# KiCad board SNES Device.kicad_pcb (continued)
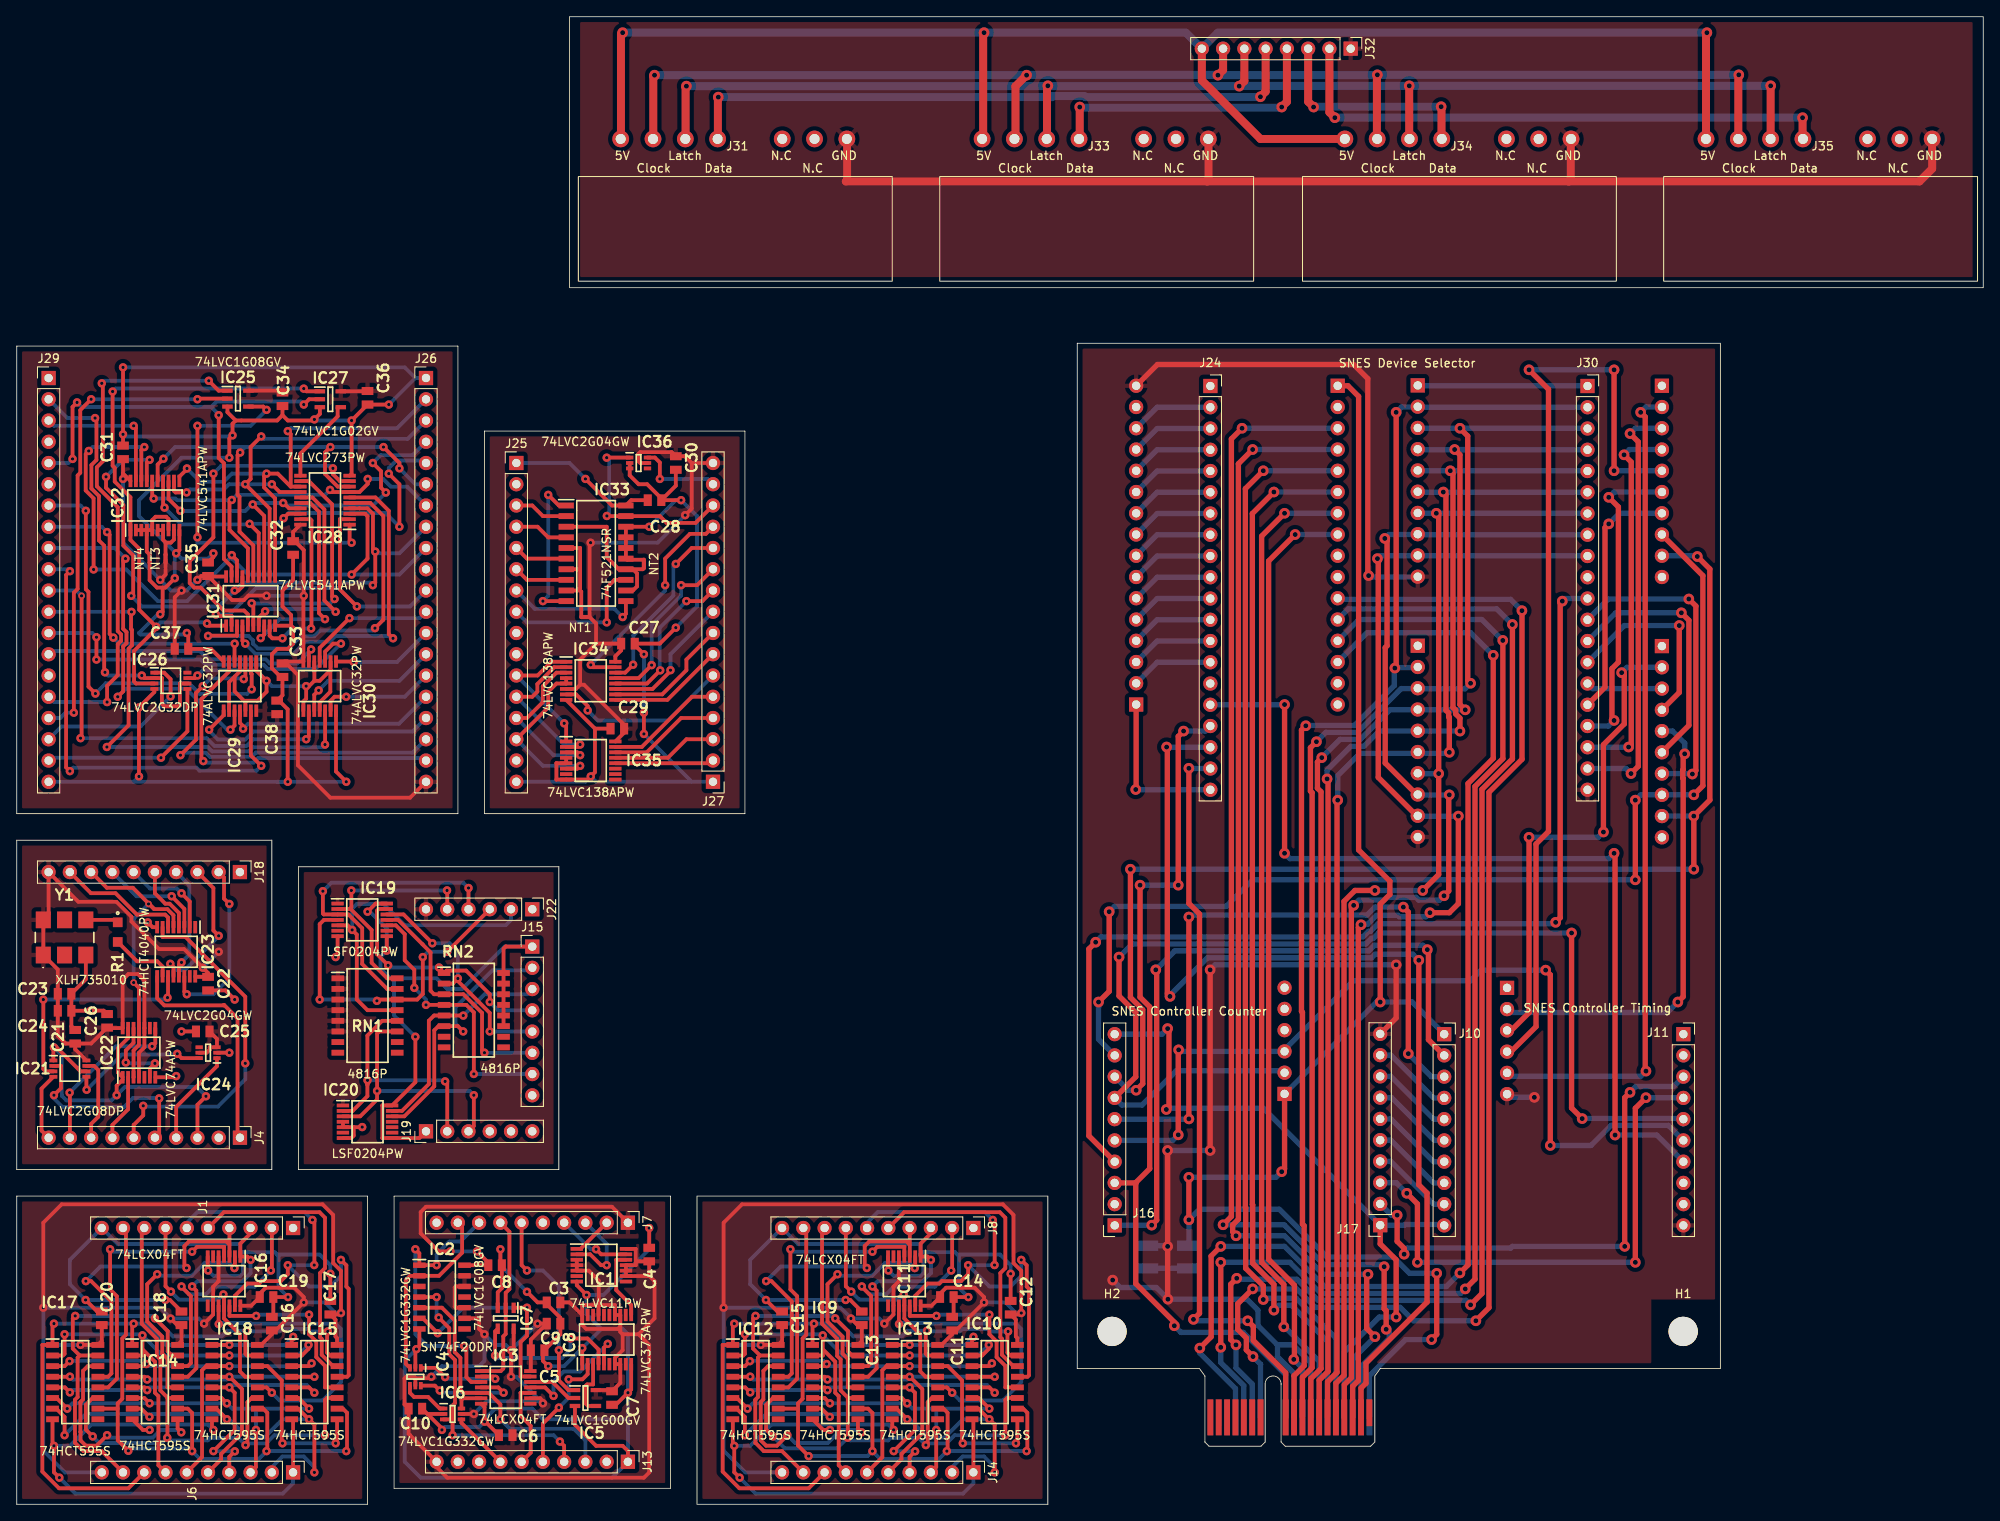
[diagram p0: board, top side]
## Routing (per net, layer and track width the routed paths; a pad name or vN(x,y) marks a point on that pad's centre or on a via; arc(x,y) is an arc through that point) (continued)
  Bottom w0.45: v1(86.99,20.32) 96.16,20.32 v1(96.3,20.19) 98.7,17.78 v1(106.68,17.78) 114.87,17.78 v1(116.14,19.05)
/SNES Controller Board/SNES Controller Shift Register/SHIFT_OUT3: length 52.4
  Top w0.45: v1(87.59,17.11) 86.99,16.51 IC12.3 ; v1(96.77,16.76) 96.52,16.51 IC9.3 ; v1(106.68,16.51) IC13.3 103.91,16.51 103.42,16.01 103.42,5.63 J14.6 ; v1(116.51,16.84) 116.17,16.51 IC10.3
  Bottom w0.45: v1(87.59,17.11) 87.63,17.14 96.38,17.14 v1(96.77,16.76) 97.02,16.51 v1(106.68,16.51) 116.17,16.51 v1(116.51,16.84)
/SNES Controller Board/SNES Controller Shift Register/SHIFT_OUT4: length 52.1
  Top w0.45: IC12.4 87.62,15.24 v1(87.63,15.25) ; v1(96.87,14.91) 96.54,15.24 IC9.4 ; IC10.4 v1(116.84,15.24) ; J14.5 105.7,5.37 105.7,6 108.19,8.5 108.19,13.77 106.72,15.24 v1(106.68,15.24) IC13.4
  Bottom w0.45: v1(116.84,15.24) 116.82,15.26 106.7,15.26 v1(106.68,15.24) 106.35,14.91 v1(96.87,14.91) 87.97,14.91 v1(87.63,15.25)
/SNES Controller Board/SNES Controller Shift Register/SHIFT_OUT5: length 53.6
  Top w0.45: v1(107.33,6.33) 106.67,5.67 J14.4 ; v1(116.84,13.33) 116.2,13.97 IC10.5 ; IC12.5 87.03,13.97 v1(87.63,13.37) ; IC9.5 96.54,13.97 v1(96.87,13.64) ; IC13.5 v1(106.68,13.97) 107.31,13.33 107.31,8.89 v1(104.77,6.35)
  Bottom w0.45: v1(87.63,13.37) 87.9,13.64 v1(96.87,13.64) 97.19,13.97 v1(106.68,13.97) 106.97,14.26 115.92,14.26 v1(116.84,13.33) ; v1(107.33,6.33) 107.31,6.35 v1(104.77,6.35)
/SNES Controller Board/SNES Controller Shift Register/SHIFT_OUT6: length 46.1
  Top w0.45: J14.3 109.85,4.45 v1(109.85,8.89) ; IC13.6 105.76,12.7 v1(106.39,12.06) ; IC10.6 114.93,12.7 v1(116.2,11.43) ; IC9.6 96.52,12.7 v1(97.16,12.06) ; 86.04,12.7 v1(87.31,11.43)
  Bottom w0.45: v1(87.31,11.43) 87.95,12.06 v1(97.16,12.06) v1(106.39,12.06) 107.03,11.43 109.85,11.43 ; v1(109.85,8.89) 109.85,11.43 ; 109.85,11.43 v1(116.2,11.43)
/SNES Controller Board/SNES Controller Shift Register/SHIFT_OUT7: length 57.1
  Top w0.45: v1(97.14,10.45) 96.16,11.43 IC9.7 ; v1(116.84,3.81) 116.84,9.53 v1(116.2,10.16) 116.17,10.16 114.9,11.43 IC10.7 ; 86,11.43 86.99,10.44 v1(86.99,8.25) ; 105.12,11.43 v1(106.39,10.16)
  Bottom w0.45: v1(86.99,8.25) 89.53,10.79 96.79,10.79 v1(97.14,10.45) 97.48,10.79 105.76,10.79 v1(106.39,10.16) 106.66,10.16 108.86,7.97 110.85,7.97 113.05,10.16 v1(116.2,10.16) ; v1(116.84,3.81) 116.84,4.44 115.57,5.72 113.03,5.72 111.75,4.44 J14.2
/SNES Controller Board/SNES Controller Shift Register/~{Shift Reset}: length 75.8
  Top w0.45: IC12.10 93.34,11.43 ; IC13.10 110.72,11.43 111.21,10.93 111.21,6.44 v1(111.12,6.35) ; v1(94.61,5.76) 93.34,7.03 93.34,12.06 93.89,12.61 93.89,19.82 94.33,20.26 94.33,32.67 ; IC9.10 101.71,11.43 102.23,10.91 v1(102.23,6.35) ; IC10.10 120.24,11.43 120.74,10.93 120.74,6.44 v1(120.65,6.35)
  Bottom w0.45: v1(94.61,5.76) 101.64,5.76 v1(102.23,6.35) 103.18,5.41 110.18,5.41 v1(111.12,6.35) 111.14,6.36 120.64,6.36 v1(120.65,6.35)
/SNES Controller Board/SNES Controller Timing/LE: length 8.5
  Top w0.45: IC1.12 71.63,29.22 71.63,29.22 71.63,25.59 73.41,23.81 IC8.11
/SNES Controller Board/SNES Controller Translation/Controller A Data: length 29.1
  Top w0.45: v1(51.41,73.37) 51.44,73.34 J22.5 ; IC19.2 39.52,71.15 ; 39.52,71.15 39.78,71.15 39.98,71.35 v1(39.98,73.37) ; 39.52,71.15 39.89,71.15 42.4,68.64 42.4,64.72 44.26,62.86 RN1.16
  Bottom w0.45: v1(51.41,73.37) v1(39.98,73.37)
/SNES Controller Board/SNES Controller Translation/Controller B Data: length 38.4
  Top w0.45: RN1.15 44.26,61.59 41.28,64.58 41.28,68.85 39.62,70.5 IC19.3 36.69,70.5 36.58,70.61 v1(36.58,73.28) ; J22.4 v1(53.98,73.66)
  Bottom w0.45: v1(53.98,73.66) 53.34,74.29 37.59,74.29 v1(36.58,73.28)
/SNES Controller Board/SNES Controller Translation/Controller C Data: length 38.9
  Top w0.45: J22.3 v1(51.44,66.04) ; v1(48.51,65.41) 48.51,60.99 47.85,60.32 RN1.14 43.18,60.32 v1(43.03,60.18) ; IC19.4 36.7,69.85 36.19,69.34 v1(36.19,60.32)
  Bottom w0.45: v1(51.44,66.04) 49.15,66.04 v1(48.51,65.41) ; v1(36.19,60.32) 42.88,60.32 v1(43.03,60.18)
/SNES Controller Board/SNES Controller Translation/Controller Clock: length 31.6
  Top w0.45: J19.3 54.61,45.21 v1(54.61,48.89) ; RN1.11 43.31,56.51 43.05,56.26 v1(43.05,49.4) 43.05,48.39 41.04,46.37 IC20.3
  Bottom w0.45: v1(54.61,48.89) 54.1,49.4 v1(43.05,49.4)
/SNES Controller Board/SNES Controller Translation/Controller D Data: length 40.2
  Top w0.45: RN1.13 41.91,59.06 40.63,60.34 40.63,68.1 v1(40.07,68.65) 39.52,69.2 IC19.5
  Bottom w0.45: J22.2 59.05,69.85 58.42,69.21 46.36,69.21 43.81,71.75 40.64,71.75 40.07,71.19 v1(40.07,68.65)
/SNES Controller Board/SNES Controller Translation/Controller Latch: length 31.1
  Top w0.45: v1(51.18,50.55) 51.44,50.29 J19.2 ; IC20.2 40.13,47.02 41.9,48.78 41.9,50.15 ; RN1.12 43.66,57.78 41.9,56.02 41.9,50.15 ; 41.9,50.15 41.91,50.16 v1(41.91,50.67)
  Bottom w0.45: v1(51.18,50.55) 51.05,50.67 v1(41.91,50.67)
/SNES Controller Board/T Controller Clock: length 14.8
  Top w0.45: v1(65.94,14.94) 67.59,14.94 68.21,15.56 IC8.2 ; v1(64.77,11.56) 62.86,9.65 J13.5
  Bottom w0.45: v1(65.94,14.94) 65.94,12.73 v1(64.77,11.56)
/SNES Controller Board/T Controller LE: length 10.4
  Top w0.45: IC3.10 60.2,13.32 60.2,13.32 60.2,10.58 61.4,9.37 61.4,6.16 J13.6
/SNES Controller Board/T ~{Done Shifting}: length 7
  Top w0.45: J13.7 53.13,9.73 IC6.4
/SNES Controller Board/Timing 3.3V: length 176.5
  Top w0.45: v1(62.23,21.59) C9.1 61.42,19.69 C5.1 61.42,15.98 IC3.14 ; 69.54,23.81 67.59,23.81 67.56,23.78 IC8.20 ; 69.54,23.81 71.46,23.81 IC8.14 IC8.13 72.11,21.23 ; 69.54,23.81 69.51,23.78 IC8.17 ; 69.54,23.81 69.54,26.73 68.34,27.92 IC1.5 IC1.4 IC1.3 ; 73.95,28.87 73.95,28.58 73.95,28.57 IC1.11 IC1.10 IC1.9 75.34,27.28 75.56,27.5 C4.1 74.12,29.03 73.95,28.87 ; 73.95,28.87 73.95,30.52 73.95,30.53 IC1.14 ; v1(49.53,15.24) 49.36,15.07 47.62,15.07 ; C3.1 66.05,24.13 IC8.20 ; IC7.5 59.37,18.73 v1(59.05,18.41) v1(59.05,15.24) ; IC2.10 52.45,23.5 52.33,23.62 52.33,25.91 52.45,26.03 53.08,26.03 ; 72.11,21.23 72.11,20.6 72.39,20.32 ; 72.11,21.23 71.83,20.95 68.04,20.95 67.56,21.44 IC8.20 ; IC6.5 v1(54.61,10.79) ; IC3.9 62.55,12.67 62.86,12.35 v1(62.86,12.06) ; 75.56,27.31 76.2,26.67 76.2,22.22 74.3,20.32 ; 72.39,20.32 74.3,20.32 ; 72.39,20.32 72.39,18.41 71.46,17.48 IC8.7 IC8.8 72.11,14.5 C7.1 ; 74.3,20.32 75.56,19.05 75.56,3.81 74.93,3.17 51.44,3.17 50.16,4.45 J13.10 46.99,8.25 46.99,8.25 46.81,8.43 C10.1 46.33,11.92 46.33,15.04 46.53,15.24 47.45,15.24 47.62,15.07 ; 47.62,15.07 IC4.5 ; v1(55.88,20.32) 55.24,20.95 55.24,22.22 IC2.9 ; 70.98,13.65 IC5.5
  Bottom w0.45: v1(59.05,15.24) 59.69,15.24 v1(62.86,12.06) ; v1(49.53,15.24) 50.8,16.51 55.24,16.51 55.88,17.14 v1(55.88,20.32) 57.15,19.05 58.42,19.05 v1(59.05,18.41) v1(62.23,21.59) ; 62.85,12.08 62.61,12.32 56.13,12.32 v1(54.61,10.79)
/SNES Controller Board/Timing 5V: length 41
  Top w0.45: v1(51.82,30.23) 50.42,30.23 48.26,32.38 48.26,34.92 48.89,35.56 71.11,35.56 J7.1 ; v1(54.99,30.23) 56.34,28.88 C8.1 IC2.14
  Bottom w0.45: v1(51.82,30.23) v1(54.99,30.23)
/SNES Controller Board/Timing GND: length 173.7
  Top w0.45: 63.33,23.91 64.94,22.29 C9.2 64.94,20.32 C5.2 ; J13.1 73.02,6.35 72.39,6.98 69.21,6.98 66.69,9.5 IC5.3 ; v1(67.56,18.67) 67.56,18.66 IC8.1 ; 49.07,10.79 C10.2 ; 49.07,10.79 IC6.2 ; 49.07,10.79 50.8,9.06 v1(50.8,8.89) ; IC7.3 57.47,25.34 57.96,25.83 C8.2 ; C6.2 55.99,9.87 v1(55.89,9.87) 55.89,11.61 IC3.7 ; v1(68.07,25.02) 66.91,26.18 IC1.7 ; IC4.2 47.62,18.41 v1(47.75,18.54) 48.1,18.89 IC2.7 ; v1(57.78,30.48) 57.78,28.75 ; 71.58,11.89 v1(73.02,13.33) 73.41,13.72 IC8.10 ; 62.86,18.24 62.86,17.14 v1(63.5,16.51) ; C4.2 v1(75.56,33.02) ; v1(60.96,25.4) 62.23,24.13 C3.2
  Bottom w0.45: 69.85,20.95 v1(67.56,18.67) 65.41,16.51 v1(63.5,16.51) ; 69.85,20.95 72.39,20.95 73.02,20.32 v1(73.02,13.33) 73.02,13.33 73.02,10.16 ; 69.85,20.95 68.07,22.73 v1(68.07,25.02) 70.1,25.02 75.56,30.48 v1(75.56,33.02) ; v1(57.78,30.48) 57.78,28.57 v1(60.96,25.4) ; 73.02,10.16 J13.1 ; 73.02,10.16 62.87,10.16 61.59,11.43 57.15,11.43 55.89,10.17 v1(55.89,9.87) 55.26,9.24 51.15,9.24 v1(50.8,8.89) ; 73.02,5.07 71.12,3.17 48.26,3.17 46.36,5.08 46.36,17.14 v1(47.75,18.54)
/SNES Controller Board/~{Done Shifting}: length 109.8
  Top w0.635: v2(190.96,44.13) 190.96,77.69 v2(190.84,77.81) ; v2(151.47,95.59) v2(151.47,77.81)
  Bottom w0.635: J11.7 195.94,44.13 v2(190.96,44.13) ; v2(151.47,95.59) 151.44,95.56 J24.16 ; v2(151.47,77.81) 152.11,77.18 190.21,77.18 v2(190.84,77.81)
/SNES Controller Board/~{Reset}: length 105.8
  Top w0.635: J16.3 133.72,38.41 ; 133.72,38.41 133.69,38.38 133.69,26.38 138.3,21.76 v2(138.3,21.34) ; 133.72,38.41 133.72,38.47 135.36,40.11 135.36,59.45 134.21,60.6 v2(134.21,74) ; v2(139.41,92.42) 138.77,91.78 v2(138.77,74)
  Bottom w0.635: v2(138.77,74) v2(134.21,74) ; v2(139.41,92.42) 142,92.42 J24.17 ; J2.B11 151.61,15.47 146.54,20.54 139.1,20.54 v2(138.3,21.34)
/SNES Controller Board/~{Shift Reset}: length 144.8
  Top w0.635: v2(133.06,75.91) 133.06,60.58 134.53,59.11 134.53,50.27 v2(133.74,49.48) ; v2(200.79,113.28) 202.28,111.79 202.28,84.17 v2(200.37,82.26) v2(200.37,75.91)
  Bottom w0.635: v2(133.74,49.48) 132.8,49.48 J16.8 ; v2(200.79,113.28) 200.7,113.37 J3.9 ; v2(200.37,75.91) v2(133.06,75.91) ; J9.9 v2(200.37,82.26)
/SNES Controller Device/Channel RWB: length 21
  Top w0.45: v1(18.38,96.56) 18.38,98.63 17.61,99.4 IC26.1
  Bottom w0.45: J29.18 5.34,92.96 14.79,92.96 v1(18.38,96.56)
/SNES Controller Device/Channel ~{RWB}: length 22.6
  Top w0.45: v1(17.23,89.23) 20.39,92.39 20.39,97.45
  Bottom w0.45: 4.15,89.23 v1(17.23,89.23)
/SNES Controller Device/Device Channel RWB: length 125.7
  Top w0.635: v2(137.78,60.7) 137.46,61.02 137.46,90.43 v2(137.38,90.51) ; v2(167.51,65.02) 167.51,38.19 168.5,37.2 168.5,24.17 161.2,16.87 161.2,14.48 160.61,13.88 J2.A2
  Bottom w0.635: v2(137.38,90.51) 137.41,90.48 J24.18 ; v2(167.51,65.02) 166.79,65.75 162.31,65.75 161.87,65.31 142.26,65.31 137.78,60.83 v2(137.78,60.7)
/SNES Controller Device/Device Channel ~{RWB}: length 89.2
  Top w0.635: v2(140.04,87.97) 140.04,71.82 141.31,70.55 141.31,22.82 v2(140.59,22.1) ; J2.A11 151.61,15.72 147.74,19.58 147.74,21.26 v2(147.07,21.93)
  Bottom w0.635: v2(140.59,22.1) 140.76,21.93 v2(147.07,21.93) ; J24.19 140.07,87.94 v2(140.04,87.97)
/SNES Controller Device/Device Selector/DEVICE_ADDRESS0: length 17
  Top w0.45: IC34.1 63.87,100.7 62.23,99.06 J25.11 ; v1(65.41,93.34) 65.64,93.11 IC35.1
  Bottom w0.45: J25.11 v1(65.41,93.34)
/SNES Controller Device/Device Selector/DEVICE_ADDRESS1: length 19.7
  Top w0.45: J25.12 61.59,96.52 62.2,97.13 62.2,98.04 64.21,100.05 IC34.2 ; IC35.2 67.03,90.52 v1(67.31,90.8)
  Bottom w0.45: J25.12 65.41,90.8 v1(67.31,90.8)
/SNES Controller Device/Device Selector/DEVICE_ADDRESS2: length 20.6
  Top w0.45: IC34.3 64.48,99.4 62.85,97.77 62.85,95.87 60.96,93.98 J25.13 ; IC35.3 66.97,89.88 v1(67.31,89.53)
  Bottom w0.45: J25.13 64.13,89.53 v1(67.31,89.53)
/SNES Controller Device/Device Selector/DEVICE_ADDRESS3: length 21.2
  Top w0.45: v1(67.31,88.26) 66.97,87.92 IC35.6 ; J25.14 63.5,95.25 63.5,97.12 64.48,98.1 IC34.5 IC34.4
  Bottom w0.45: J25.14 62.86,88.26 v1(67.31,88.26)
/SNES Controller Device/Device Selector/DEVICE_IDENTIFIER0: length 6.5
  Top w0.45: J25.3 61.59,119.38 62.86,118.11 IC33.2
/SNES Controller Device/Device Selector/DEVICE_IDENTIFIER1: length 6.5
  Top w0.45: IC33.4 63.5,115.57 62.23,116.84 J25.4
/SNES Controller Device/Device Selector/DEVICE_IDENTIFIER2: length 6.5
  Top w0.45: IC33.6 60.96,113.03 J25.5
/SNES Controller Device/Device Selector/DEVICE_IDENTIFIER3: length 6.5
  Top w0.45: J25.6 60.96,110.49 IC33.8
/SNES Controller Device/Device Selector/DEVICE_IDENTIFIER4: length 16.1
  Top w0.45: IC33.11 72.78,106.43 v1(72.39,106.04)
  Bottom w0.45: v1(72.39,106.04) 71.41,107.03 61.88,107.03 J25.7
/SNES Controller Device/Device Selector/DEVICE_IDENTIFIER5: length 18.1
  Top w0.45: v1(70.48,105.41) 70.48,109.56 71.41,110.49 IC33.13
  Bottom w0.45: v1(70.48,105.41) 60.96,105.41 J25.8
/SNES Controller Device/Device Selector/HARD_IDENTIFIER0: length 17.4
  Top w0.45: IC33.3 70.48,116.84 70.48,113.21 71.94,111.76 74.8,111.76 NT2.2 ; 73.62,111.76 74.11,111.26 74.11,109.72 73.62,109.22 IC33.12
/SNES Controller Device/Device Selector/HARD_IDENTIFIER3: length 13.1
  Top w0.45: 67.31,109.22 67.44,109.08 NT1.2 ; IC33.5 67.31,114.3 67.31,111.76 ; IC33.7 67.31,111.76 ; 67.31,111.76 67.31,109.51 67.02,109.22 IC33.9
/SNES Controller Device/Left 3.3V: length 65.9
  Top w0.45: 69.21,102.87 67.31,100.96 67.31,97.96 ; 69.21,102.87 C27.1 72.21,102.06 71.52,101.36 IC34.16 ; 69.21,102.87 69.21,105.27 NT1.1 68.44,114.82 v1(68.56,114.93) ; 80.64,124.46 80.64,119.01 v1(79.86,118.22) ; 80.64,124.46 79.83,125.27 C30.1 78.25,125.76 74.49,125.76 74.3,125.56 74.3,124.66 74.5,124.46 IC36.5 ; 80.64,124.46 J27.16 ; 67.31,97.96 67.78,97.96 72.56,93.17 ; 67.31,97.96 66.8,97.45 65.64,97.45 ; C29.1 72.56,92.22 IC35.16 ; 72.85,92.71 72.39,92.71
  Bottom w0.45: v1(79.86,118.22) 76.57,114.93 v1(68.56,114.93)
/SNES Controller Device/Left 5V: length 18.1
  Top w0.45: v1(67.94,122.55) 71.12,119.38 IC33.20 73.41,120.01 C28.1
  Bottom w0.45: J25.1 66.04,124.46 v1(67.94,122.55)
/SNES Controller Device/Left GND: length 132.1
  Top w0.45: v1(78.74,104.77) 76.83,102.87 C27.2 ; IC36.2 IC36.3 73.23,122.98 74.3,121.92 75.32,121.92 77.01,120.23 ; IC35.4 IC35.5 64.48,88.57 64.48,88.57 64.48,86.63 64.48,86.62 IC35.8 68.21,86.62 v1(68.58,86.99) 69.08,87.5 69.08,92.71 ; 73.83,102.69 v1(74.93,101.6) ; IC33.1 64.77,119.38 v1(63.5,120.65) ; 69.08,92.71 IC34.8 ; 69.08,92.71 C29.2 ; C30.2 78.74,121.74 C28.2 v1(79.38,120.01) ; v1(75.56,116.84) IC33.18 IC33.17 IC33.16 IC33.15 72.91,112.89 NT2.1 ; v1(74.93,94.61) v1(74.93,92.07) ; v1(62.86,107.95) IC33.10
  Bottom w0.45: v1(62.86,107.95) 63.5,108.58 v1(63.5,120.65) ; 59.69,86.36 67.94,86.36 v1(68.58,86.99) 69.21,86.36 J27.1 ; 80.64,86.36 v1(74.93,92.07) ; v1(78.74,104.77) 81.28,107.31 81.28,118.11 v1(79.38,120.01) 78.74,120.01 v1(75.56,116.84) ; v1(74.93,101.6) v1(74.93,94.61)
/SNES Controller Device/Right 3.3V: length 106.3
  Top w0.45: IC31.20 22.92,110.89 ; C32.1 33.02,116.22 IC28.20 ; 33.23,115.11 34.29,114.05 v1(34.29,108.58) 34.25,108.54 IC30.14 31.97,100.73 ; v1(29.85,108.58) 29.81,108.62 27.68,108.62 27.14,108.08 25.73,108.08 C35.1 22.05,110.95 v1(21.59,110.49) ; 12.7,123.2 v1(12.7,122.55) ; 12.7,123.2 IC32.20 ; 12.7,123.2 C31.1 ; J26.20 47,84.45 37.47,84.45 33.6,88.32 33.6,99.12 32.21,100.5 ; IC25.5 31.54,133.1 ; C37.1 18.87,108.41 v1(19.68,109.22) ; 17.78,112.86 17.78,111.12 v1(17.14,110.49) ; IC27.5 41.88,133.03
  Bottom w0.45: v1(12.7,122.55) 12.7,114.93 v1(17.14,110.49) 18.42,109.22 v1(19.68,109.22) 20.32,109.22 v1(21.59,110.49) ; v1(29.85,108.58) v1(34.29,108.58)
/SNES Controller Device/Right GND: length 249.2
  Top w0.45: 31.75,130.18 31.11,129.54 26.16,129.54 ; 31.75,130.18 32.39,129.54 35.43,129.54 v1(35.56,129.67) 36.22,130.32 IC27.3 ; 31.75,130.18 C34.2 ; v1(23.5,113.66) 23.5,113.2 C35.2 ; 40,129.07 40,123.18 39.77,122.94 ; v1(40,129.54) C36.2 v1(44.45,131.44) ; 17.43,109.57 17.76,109.57 v1(18.89,110.69) ; 17.43,109.57 16.76,109.57 15.88,110.45 NT4.1 ; 17.43,109.57 17.43,106.67 v1(17.14,106.38) ; 26.16,129.54 25.78,129.16 v1(25.78,127.76) 25.4,127.38 v1(25.4,125.09) ; 26.16,129.54 25.18,130.53 IC25.3 ; 32.78,105.01 33.02,104.77 33.02,102.87 32.39,102.23 31.11,102.23 30.48,101.6 30.48,99.94 31.54,98.88 ; 32.78,105.01 32.78,106.28 31.75,107.31 31.75,109.22 33.02,110.49 C32.2 ; 32.78,105.01 IC31.10 ; 31.33,96.06 32.37,95.02 32.37,86.37 v1(32.39,86.36) ; v1(19.05,113.66) 19.43,114.05 IC32.10 ; IC30.7 38.14,87.58 v1(39.37,86.36) ; C38.2 31.75,96.69 C33.2 ; v1(20.32,104.14) 20.5,103.96 C37.2 23.21,102.23 IC29.7 ; 16.44,97.45 16.44,97.08 v1(14.61,95.25) v1(14.61,86.99) ; C31.2 v1(12.7,127.89) v1(12.7,135.89)
  Bottom w0.45: v1(32.39,86.36) 31.12,86.36 31.12,86.35 ; v1(19.05,113.66) 18.89,113.5 v1(18.89,110.69) ; v1(19.05,113.66) 14.61,118.11 14.61,120.01 19.68,125.09 v1(25.4,125.09) ; v1(19.05,113.66) 19.68,113.03 22.86,113.03 v1(23.5,113.66) ; 31.12,86.35 13.96,86.35 ; 31.12,86.35 39.36,86.35 v1(39.37,86.36) ; 13.96,86.35 v1(14.61,86.99) ; 13.96,86.35 J29.20 ; v1(12.7,135.89) 46.36,135.89 47.63,134.62 ; 47.63,134.62 47.62,134.62 v1(44.45,131.44) ; 47.63,134.62 J26.1 ; v1(25.78,127.76) 25.65,127.63 12.95,127.63 v1(12.7,127.89) ; v1(35.56,129.67) 35.69,129.54 v1(40,129.54) ; v1(17.14,106.38) 16.84,106.38 14.61,104.14 14.78,103.96 20.14,103.96 v1(20.32,104.14)
/SNES Controller Device/Select In 0: length 17.1
  Top w0.45: v1(13.97,128.9) 14.23,128.64 IC32.19
  Bottom w0.45: J29.3 4.44,128.9 v1(13.97,128.9)
/SNES Controller Device/Select In 2: length 61.2
  Top w0.45: IC31.19 25.67,112.08 24.75,112.99 24.75,124.44 24.13,125.06 v1(24.13,130.18) ; v1(34.29,131.44) 34.92,132.08 IC27.2 ; v1(6.67,124.95) 6.67,131.16 v1(7.2,131.7)
  Bottom w0.45: J29.5 6.18,124.45 v1(6.67,124.95) ; v1(34.29,131.44) 33.92,131.81 23.9,131.81 23.24,131.16 ; 23.24,131.16 24.13,130.27 v1(24.13,130.18) ; 23.24,131.16 7.75,131.16 v1(7.2,131.7)
/SNES Controller Device/Select In 4: length 50.3
  Top w0.45: v1(8.25,118.74) 8.25,109.37 8.57,109.05 8.57,97.73 v1(9.4,96.9) ; v1(28.07,97.41) 28.07,99.24 27.97,99.34 27.97,100.73
  Bottom w0.45: v1(28.07,97.41) 27.52,96.87 21.84,96.87 20.58,98.13 10.63,98.13 v1(9.4,96.9) ; J29.7 7.62,119.38 v1(8.25,118.74)
/SNES Controller Device/Select In 5: length 37.1
  Top w0.45: IC29.5 26.02,102.85 v1(26.04,102.87) ; v1(10.79,116.2) 11.1,115.9 11.1,104.03 v1(11.54,103.59)
  Bottom w0.45: J29.8 10.16,116.83 v1(10.79,116.2) ; v1(26.04,102.87) 26.02,102.86 12.27,102.86 v1(11.54,103.59)
/SNES Controller Device/Select In 6: length 45.3
  Top w0.45: v1(12.99,113.03) 12.71,112.76 12.71,104.64 13.11,104.24 13.11,102.93 12.71,102.53 12.71,97.17 v1(12.07,96.52) ; v1(25.53,92.58) 26.02,93.08 IC29.10
  Bottom w0.45: v1(12.99,113.03) 11.72,114.29 J29.9 ; v1(12.07,96.52) 13.03,97.48 20.25,97.48 25.15,92.58 v1(25.53,92.58)
/SNES Controller Device/Select In 7: length 57.4
  Top w0.45: v1(29.21,88.26) 27.97,89.5 27.97,94.85 ; v1(6.35,87.63) 5.9,88.08 5.9,111.08 v1(6.35,111.53)
  Bottom w0.45: J29.10 6.13,111.75 v1(6.35,111.53) ; v1(29.21,88.26) 28.63,87.69 21.84,87.69 21.48,88.04 6.76,88.04 v1(6.35,87.63)
/SNES Controller Device/Select In 8: length 52.5
  Top w0.45: v1(7.62,91.57) 7.75,91.69 v3(7.75,108.58) ; IC30.2 34.89,91.76 v1(34.58,91.44)
  Bottom w0.45: v1(34.58,91.44) 28.26,91.44 27.46,90.64 23.62,90.64 22.7,91.57 v1(7.62,91.57) ; v3(7.75,108.58) 7.12,109.21 J29.11
/SNES Controller Device/Select In 9: length 58
  Top w0.45: v1(10.77,90.52) 13.36,93.11 13.36,102.26 13.76,102.67 13.76,104.51 13.65,104.62 13.65,106.61 v1(13.71,106.66) ; IC30.5 36.84,90.82 v1(36.83,90.8)
  Bottom w0.45: J29.12 13.69,106.67 v1(13.71,106.66) ; v1(10.77,90.52) 22.83,90.52 23.35,89.99 27.73,89.99 28.23,90.49 36.51,90.49 v1(36.83,90.8)
/SNES Controller Device/Select In 10: length 43
  Top w0.45: v1(38.73,102.87) 37.8,102.87 36.84,101.92 IC30.10 ; v1(9.52,100.96) v1(9.52,103.63)
  Bottom w0.45: v1(9.52,100.96) 21.97,100.96 22.59,100.34 29.48,100.34 29.98,99.85 35.71,99.85 v1(38.73,102.87) ; J29.13 9.02,104.13 v1(9.52,103.63)
/SNES Controller Device/Select In 11: length 34.4
  Top w0.45: v1(35.17,102.18) 34.89,101.9 IC30.13
  Bottom w0.45: v1(35.17,102.18) 33.49,100.5 30.24,100.5 29.75,100.99 22.86,100.99 21.88,101.98 4.2,101.98 J29.14
/SNES Controller Device/Select Out 0: length 26.7
  Top w0.45: v1(68.58,100.33) 68.86,100.05 IC34.15 ; J27.13 82.33,115.99 80.43,115.99 77.47,113.03 v1(77.47,109.85)
  Bottom w0.45: v1(77.47,109.85) 77.47,109.22 v1(68.58,100.33)
/SNES Controller Device/Select Out 1: length 21.9
  Top w0.45: v1(78.74,112.39) 80.64,114.3 J27.12 ; IC34.14 72.69,99.4 v1(73.64,100.35)
  Bottom w0.45: v1(78.74,112.39) 78.45,112.11 78.45,108.62 73.66,103.83 73.66,100.37 v1(73.64,100.35)
/SNES Controller Device/Select Out 2: length 20.6
  Top w0.45: IC34.13 74.3,98.75 v1(75.85,100.3) ; v1(79.38,109.85) 81.28,109.85 J27.11
  Bottom w0.45: v1(75.85,100.3) 75.85,105.1 79.38,108.62 v1(79.38,109.85)
/SNES Controller Device/Select Out 3: length 19.3
  Top w0.45: J27.10 81.91,107.95 v1(80.01,107.95) ; v1(76.88,99.68) 75.3,98.1 IC34.12
  Bottom w0.45: v1(80.01,107.95) 76.82,104.76 76.82,99.74 v1(76.88,99.68)
/SNES Controller Device/Select Out 4: length 16.7
  Top w0.45: 71.52,97.45 75.96,97.45 78.1,99.6 v1(78.1,99.69)
  Bottom w0.45: J27.9 78.1,101.6 v1(78.1,99.69)
/SNES Controller Device/Select Out 5: length 15.5
  Top w0.45: J27.8 80.01,100.96 80.01,99.69 77.11,96.8 IC34.10
/SNES Controller Device/Select Out 6: length 13.9
  Top w0.45: J27.7 77.73,96.15 IC34.9
/SNES Controller Device/Select Out 7: length 21.4
  Top w0.45: v1(68.21,94.88) 68.21,95.41 66.83,96.8 IC34.7
  Bottom w0.45: J27.6 77.82,93.69 69.41,93.69 v1(68.21,94.88)
/SNES Controller Device/Select Out 8: length 14.2
  Top w0.45: IC35.15 74.69,90.52 80.68,96.52 J27.5
/SNES Controller Device/Select Out 9: length 13.4
  Top w0.45: J27.4 79.38,93.98 75.27,89.88 IC35.14
/SNES Controller Device/Select Out 10: length 12.6
  Top w0.45: IC35.13 77.8,89.22 80.01,91.44 J27.3
/SNES Controller Device/Select Out 11: length 11.3
  Top w0.45: IC35.12 82.86,88.57
/SNES Controller Device/Selected: length 10.3
  Top w0.45: v1(76.83,122.55) 76.83,124.52 76.24,125.11 IC36.6
  Bottom w0.45: J27.15 82.55,122.55 v1(76.83,122.55)
/SNES Controller Device/SNES Device Selector/Controller A ~{OE} High Byte: length 47.4
  Top w0.45: v1(19.56,89.53) 21.41,91.39 21.41,96.98 v1(22.22,97.79) ; v1(27.12,98.63) 27.32,98.83 IC29.3
  Bottom w0.45: v1(19.56,89.53) 19.85,89.82 22.6,89.82 23.08,89.34 28.06,89.34 28.56,89.84 47.3,89.84 J26.18 ; v1(22.22,97.79) 23.15,98.71 27.04,98.71 v1(27.12,98.63)
/SNES Controller Device/SNES Device Selector/Controller A ~{OE} Low Byte: length 40
  Top w0.45: IC29.6 25.37,99.54 22.06,96.23 22.06,89.06 v1(22.29,88.83)
  Bottom w0.45: v1(22.29,88.83) 22.47,88.65 28.28,88.65 28.83,89.19 48.6,89.19
/SNES Controller Device/SNES Device Selector/Controller B ~{OE} High Byte: length 25.7
  Top w0.45: IC29.11 26.67,93.38 27.05,93.01 v1(27.05,92.69)
  Bottom w0.45: J26.16 45.67,93.29 27.64,93.29 v1(27.05,92.69)
/SNES Controller Device/SNES Device Selector/Controller B ~{OE} Low Byte: length 30.5
  Top w0.45: v1(22.99,92.58) 24.72,94.32 IC29.8
  Bottom w0.45: v1(22.99,92.58) 22.99,92.46 24.04,91.4 27.31,91.4 28.27,92.36 47.28,92.36 J26.17
/SNES Controller Device/SNES Device Selector/Controller C ~{OE} High Byte: length 17.3
  Top w0.45: v1(36.07,97.28) 35.55,96.76 IC30.3
  Bottom w0.45: J26.14 45.72,98.42 37.21,98.42 v1(36.07,97.28)
/SNES Controller Device/SNES Device Selector/Controller C ~{OE} Low Byte: length 13.8
  Top w0.45: IC30.6 37.5,96.04 37.98,96.52 v1(39.37,96.52)
  Bottom w0.45: J26.15 46.36,96.52 v1(39.37,96.52)
/SNES Controller Device/SNES Device Selector/Controller D ~{OE} High Byte: length 16.1
  Top w0.45: v1(39.75,105.92) 36.19,102.36 IC30.11
  Bottom w0.45: v1(39.75,105.92) 48.14,105.92 J26.12
/SNES Controller Device/SNES Device Selector/Controller D ~{OE} Low Byte: length 12.2
  Top w0.45: v1(40.26,100.68) 40.21,100.73 IC30.8
  Bottom w0.45: v1(40.26,100.68) 45.44,100.68 J26.13
/SNES Controller Device/SNES Device Selector/Counter Reset: length 43.6
  Top w0.45: IC31.2 25.67,106.17 25.66,106.17 23.96,106.17 v1(23.79,106.34) ; v1(40.64,107.31) 38.61,109.35 38.61,117.74 38.61,117.74 39.77,117.74
  Bottom w0.45: J26.11 47,107.31 v1(40.64,107.31) 38.45,109.51 28.57,109.51 25.41,106.34 v1(23.79,106.34)
/SNES Controller Device/SNES Device Selector/Data0: length 84.6
  Top w0.45: v1(40,111.12) 41.91,113.03 41.91,118.11 41.63,118.39 39.77,118.39 ; IC31.18 26.32,112.82 v1(25.69,113.45) ; v1(8.6,125.9) 8.24,125.54 8.24,121.17 9.18,120.23 v1(9.18,111.73) ; IC32.18 14.88,126.01 v1(15.24,126.36)
  Bottom w0.45: v1(8.6,125.9) 9.07,126.36 v1(15.24,126.36) ; 25.69,113.28 20.36,107.95 16.86,107.95 13.08,111.73 v1(9.18,111.73) ; v1(25.69,113.45) 25.69,113.06 27.62,111.12 v1(40,111.12) 45.72,111.12 J26.9
/SNES Controller Device/SNES Device Selector/Data1: length 76.7
  Top w0.45: v1(10.67,122.81) 10.67,121.5 12.74,119.43 12.74,114.59 13.91,113.41 13.91,108.82 v1(13.68,108.58) ; IC32.17 15.54,124.5 v1(15.88,124.84) ; 39.77,119.04 40.96,119.04 40.96,119.04 41.9,119.04 42.56,118.38 42.56,114.15 v1(42.83,113.87) 42.83,110.14 v1(42.55,109.85) ; IC31.17 26.96,109.7 26.48,109.22 v1(26.04,109.22)
  Bottom w0.45: v1(13.68,108.58) 14.97,107.3 24.12,107.3 v1(26.04,109.22) 26.97,110.16 42.24,110.16 v1(42.55,109.85) ; v1(42.83,113.87) 43.04,113.66 45.72,113.66 J26.8 ; v1(10.67,122.81) 12.7,124.84 v1(15.88,124.84)
/SNES Controller Device/SNES Device Selector/Data2: length 47.9
  Top w0.45: IC31.16 27.61,114.27 25.42,116.47 25.42,119.77 v1(25.69,120.04) ; v1(16.36,120.21) 16.18,120.38 IC32.16 ; v1(41.93,122.55) 41.93,121.97 40.96,120.99 37.68,120.99 v1(37.43,121.25)
  Bottom w0.45: v1(41.93,122.55) 43.78,122.55 44.7,121.63 46.64,121.63 J26.7 ; v1(16.36,120.21) 18.97,120.21 19.16,120.01 25.66,120.01 v1(25.69,120.04) 26.3,120.65 36.83,120.65 v1(37.43,121.25)
